# Altium PCB Mixed Signal Project.PcbDoc (part 2 of 3)
Units mm, origin at the board's own origin, x right, y up, seen from the top; angles counter-clockwise.
Board outline 70.67 x 70.79 mm, 4 copper layers (Top Layer, GND, VCC, Bottom Layer), stack 1.565 mm thick; 188 components, 144 nets, 738 pads, 426 vias.
Unrouted connection lines stored in the file: 3.
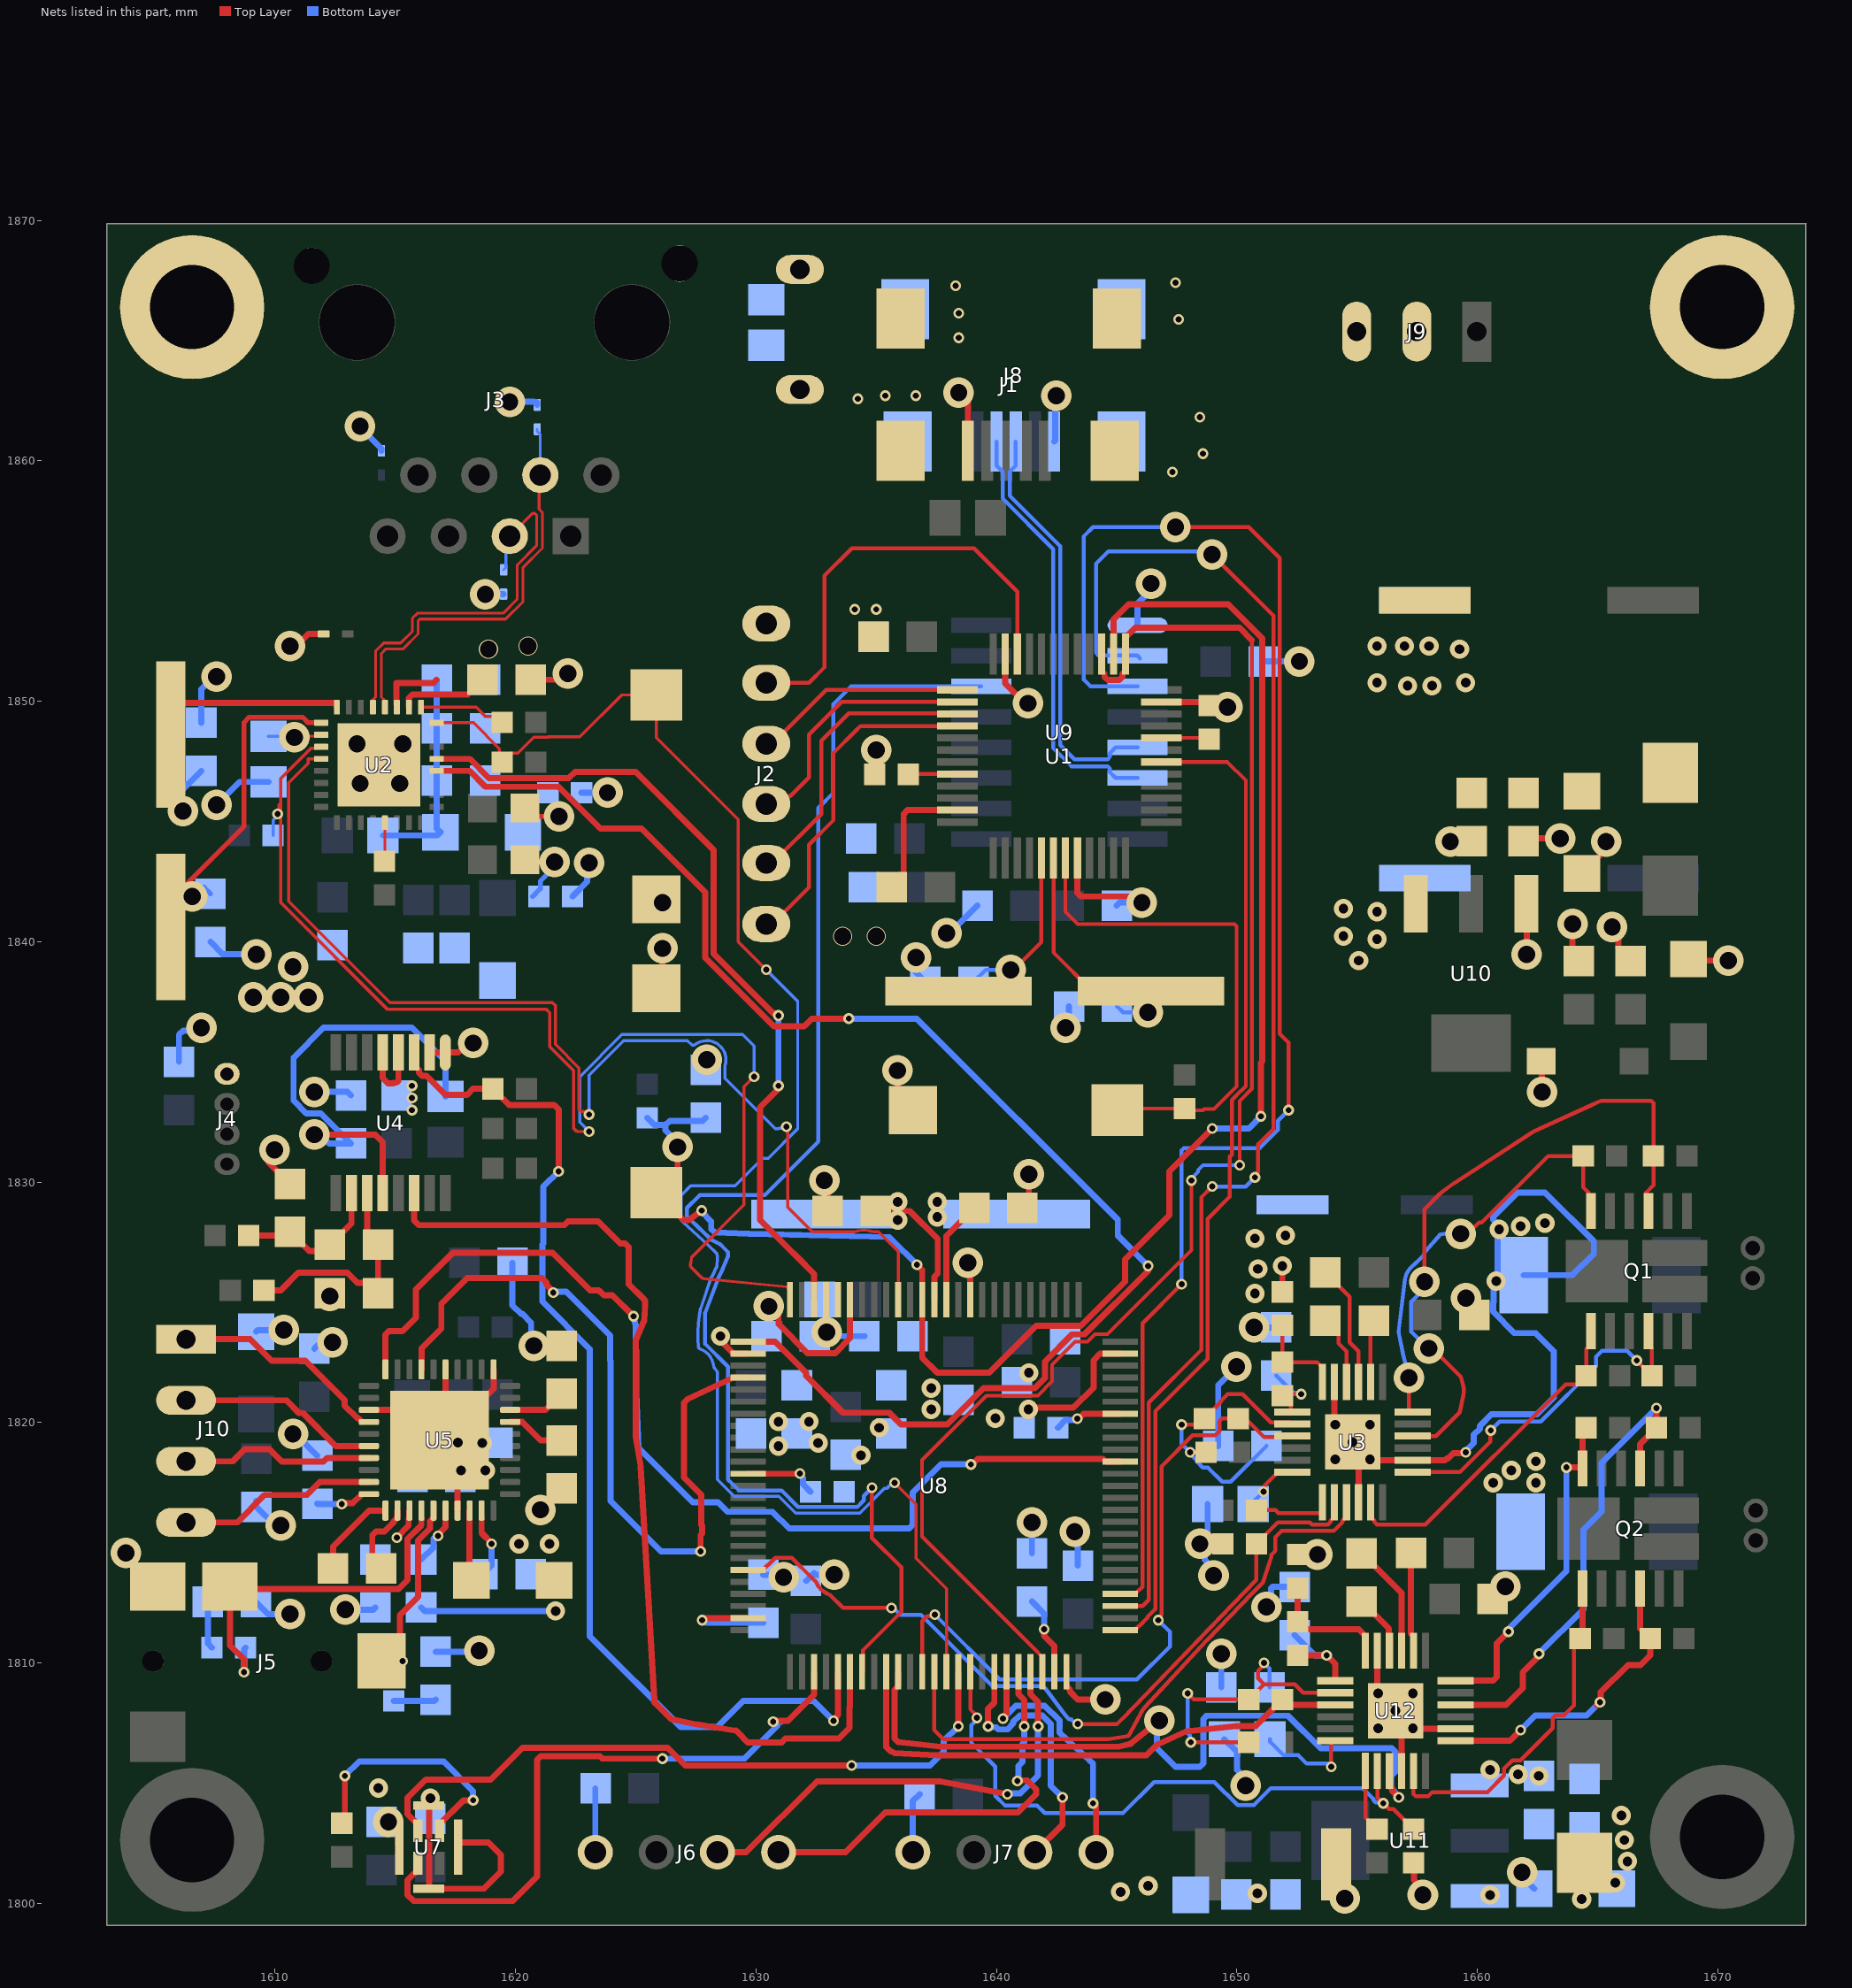
[diagram p4: the nets of this part, all layers, seen from the top]

## Via types
v1: diameter 0.45, hole 0.25, Top Layer to Bottom Layer, tented top, 150 vias
v2: diameter 0.8, hole 0.4, Top Layer to Bottom Layer, tented top, 139 vias
v3: diameter 1.27, hole 0.711, Top Layer to Bottom Layer, tented top, 129 vias
v4: diameter 0.8, hole 0.711, Top Layer to Bottom Layer, tented top, 8 vias

## Nets (pads, with @x,y where several pads share a name; then routed paths per layer and width w, separated by ;. In a path a pad name is that pad's centre, name@x,y a point inside that pad or via, vN(x,y) a via of type N, cw(c..) or ccw(c..) an arc to the next point about the centre after c; other vN are vias at no path point) (continued)
CAN_RX: J6.1 U8.70 | length 17.6
  Top Layer w0.254: J6.1@1630.934,1802.13 1633.728,1802.13 1635.379,1803.781 1640.891,1803.781 1641.647,1804.537 1641.647,1804.748 1641.276,1805.118 1640.979,1805.118 v1(1640.869,1805.094) ; U8.70@1640.911,1809.632 1640.911,1808.706 1641.153,1808.464 v1(1641.153,1807.364)
  Bottom Layer w0.254: v1(1640.869,1805.094) 1640.907,1805.131 1640.907,1805.72 1641.075,1805.889 1641.075,1806.631 1641.153,1806.708 v1(1641.153,1807.364)
CAN_TX: J6.2 U8.71 | length 19.4
  Top Layer w0.254: J6.2@1628.394,1802.13 1629.588,1802.13 1632.536,1805.078 1637.67,1805.078 v1(1640.459,1804.543) ; U8.71@1641.411,1809.632 1641.411,1808.706 1641.729,1808.388 v1(1641.729,1807.364)
  Bottom Layer w0.254: v1(1640.459,1804.543) 1640.497,1804.581 1640.995,1804.581 1641.729,1805.314 v1(1641.729,1807.364)
CH340_RST: U8.57 U9.14 | length 59.9
  Top Layer w0.166: U8.57@1634.411,1809.632 1634.455,1809.676 1634.455,1810.536 1636.041,1812.121 1636.041,1813.984 1634.819,1815.206 v1(1634.819,1817.295)
  Bottom Layer w0.166: 1628.418,1825.982 1627.886,1824.569 1627.886,1823.268 1628.831,1822.324 1628.831,1822.181 1628.831,1817.633 1628.879,1817.584 1629.285,1817.178 1631.058,1817.178 1631.747,1816.489 1634.214,1816.489 1634.489,1816.764 1634.489,1816.955 1634.819,1817.285 v1(1634.819,1817.295) ; 1628.419,1825.983 1628.421,1825.988 1628.621,1826.411 1628.842,1826.941 1628.842,1827.082 1628.569,1827.355 1628.52,1827.404 1628.155,1827.59 1627.221,1828.485 1627.124,1828.582 1627.124,1828.927 1627.653,1829.456 1630.359,1829.456 1632.585,1831.682 1632.585,1845.564 1633.22,1846.199 1633.22,1849.882 1633.957,1850.619 U9.14@1639.368,1850.619
CH340_RXD: U8.79 U9.3 | length 65.5
  Top Layer w0.166: U8.79@1645.149,1812.87 1645.193,1812.914 1645.804,1812.914 1645.94,1813.05 1645.952,1813.05 1646.069,1813.167 1646.069,1824.123 v1(1647.698,1825.752) ; v3(1647.444,1857.248) 1650.492,1857.248 1651.779,1855.961 1651.779,1836.166 1652.143,1835.802 v1(1652.143,1832.991)
  Bottom Layer w0.166: U9.3@1645.868,1850.619 1643.913,1850.619 1643.634,1850.898 1643.634,1856.867 1644.015,1857.248 v3(1647.444,1857.248) ; v1(1647.698,1825.752) 1647.698,1831.314 1647.795,1831.411 1650.944,1831.411 1651.707,1832.174 1651.707,1832.555 v1(1652.143,1832.991)
CH340_TXDPort: U8.78 U9.2 | length 59.5
  Top Layer w0.166: U8.78@1645.149,1812.37 1646.077,1812.37 1646.335,1812.628 1646.335,1820.833 1648.516,1823.014 1648.516,1829.364 v1(1648.968,1829.816) ; v3(1648.968,1856.105) 1651.513,1853.56 1651.513,1832.206 1650.885,1831.577 1650.885,1830.413 1650.746,1830.274 v1(1650.746,1830.197)
  Bottom Layer w0.166: U9.2@1645.97,1851.787 U9.2@1645.868,1851.889 1645.843,1851.914 1644.239,1851.914 1644.142,1852.011 1644.142,1855.724 1644.65,1856.232 1648.841,1856.232 v3(1648.968,1856.105) ; v1(1648.968,1829.816) 1650.365,1829.816 v1(1650.746,1830.197)
CH340USB_D_N: J8.2 U9.6 | length 17.8
  Bottom Layer w0.166: J8.2@1640.002,1860.804 1640.002,1859.804 1640.256,1859.55 1640.256,1858.435 1642.364,1856.326 1642.364,1848.055 1643.121,1847.298 1644.624,1847.298 1644.721,1847.201 1644.721,1847.044 1644.955,1846.809 U9.6@1645.868,1846.809
CH340USB_D_P: J8.3 U9.5 | length 17.4
  Bottom Layer w0.166: J8.3@1640.802,1860.804 1640.802,1859.804 1640.548,1859.55 1640.548,1858.556 1642.657,1856.447 1642.657,1848.176 1643.242,1847.59 1644.624,1847.59 1644.721,1847.687 1644.721,1847.844 1644.955,1848.079 U9.5@1645.868,1848.079
CLK_MIC: U7.3 U8.65 | length 28.8
  Top Layer w0.254: U7.3@1615.937,1803.019 1615.937,1803.294 1615.51,1803.721 1615.51,1804.394 1616.267,1805.151 1618.969,1805.151 1620.293,1806.475 1626.323,1806.475 1627.061,1805.737 v1(1633.982,1805.737) ; v1(1638.411,1807.364) U8.65@1638.411,1809.632
  Bottom Layer w0.254: v1(1633.982,1805.737) 1637.237,1805.737 1637.805,1806.305 1637.805,1806.758 v1(1638.411,1807.364)
COL: U2.28 U8.26 | length 61.8
  Top Layer w0.254: U2.28@1616.717,1847.105 1618.091,1847.105 1618.752,1846.444 1621.799,1846.444 1623.535,1844.708 1625.23,1844.708 1627.886,1842.052 1627.886,1839.337 1630.747,1836.476 1632.001,1836.476 1632.326,1836.801 v1(1633.855,1836.801) ; U8.26@1629.673,1823.37 1630.792,1823.37 1632.081,1822.08 1632.081,1821.947 1633.618,1820.41 1635.537,1820.41 1636.029,1819.918 1637.947,1819.918 1639.455,1821.426 1641.592,1821.426 1642.012,1821.846 1642.012,1822.531 1643.147,1823.666 1643.655,1823.666 1646.301,1826.312 v1(1646.301,1826.514)
  Bottom Layer w0.254: v1(1633.855,1836.801) 1636.681,1836.801 1645.044,1828.438 1645.044,1827.771 v1(1646.301,1826.514)
CRS: U2.29 U8.23 | length 34.5
  Top Layer w0.254: U2.29@1616.717,1847.605 1618.091,1847.605 1618.899,1846.798 1622.211,1846.798 1622.474,1847.061 1624.992,1847.061 1628.24,1843.813 1628.24,1839.495 1630.709,1837.026 1630.783,1837.026 1630.881,1836.928 v1(1630.934,1836.928) ; v1(1630.934,1834.007) 1630.934,1833.88 1630.172,1833.118 1630.172,1828.524 1630.172,1828.419 1630.321,1828.27 1631.37,1827.234 1631.723,1826.88 1632.411,1826.18 U8.23@1632.411,1825.108
  Bottom Layer w0.254: v1(1630.934,1834.007) v1(1630.934,1836.928)
DOUT_MIC: U7.4 U8.53 | length 26.4
  Top Layer w0.254: U7.4@1615.937,1801.669 1615.937,1801.394 1615.51,1800.967 1615.51,1800.35 1615.762,1800.098 1619.885,1800.098 1620.901,1801.114 1620.901,1805.972 1621.05,1806.121 1623.503,1806.121 1623.601,1806.023 v1(1626.108,1806.023) ; v1(1630.71,1807.561) 1630.747,1807.599 1631.323,1807.599 1632.411,1808.687 U8.53@1632.411,1809.632
  Bottom Layer w0.254: v1(1626.108,1806.023) 1629.523,1806.023 1630.885,1807.386 ; v1(1630.71,1807.561) 1631.061,1807.561
DRDY: U4.14 U8.56 | length 41.2
  Top Layer w0.254: U4.14@1615.778,1829.541 1615.778,1828.41 1615.978,1828.21 1622.021,1828.21 1622.175,1828.365 1623.44,1828.365 1623.744,1828.061 1623.744,1828.058 1624.35,1827.452 1624.562,1827.452 1624.637,1827.378 1624.711,1827.303 1624.711,1825.752 1625.307,1825.156 1625.381,1825.082 1625.381,1824.872 1625.358,1824.294 1625.356,1824.255 1625.345,1824.223 1624.994,1823.399 1624.994,1819.411 1625.207,1818.152 1625.771,1808.454 1625.777,1808.357 1625.845,1808.289 1626.415,1807.719 1626.468,1807.665 1626.543,1807.65 1627.538,1807.442 1629.167,1807.183 1629.242,1807.109 1629.651,1806.699 1631.067,1806.699 1631.225,1806.858 1633.437,1806.858 1633.882,1807.303 1633.882,1808.148 1633.911,1808.177 U8.56@1633.911,1809.632
DVDD: C27.1 R22.1 R23.1 U3.8 | length 12
  Top Layer w0.166: v1(1647.698,1819.91) 1648.397,1819.91 1649.314,1820.828 1649.314,1820.878 1649.617,1821.18 1650.238,1821.18 1651.413,1820.005 1652.239,1820.005 U3.8@1652.306,1819.938 ; v1(1648.054,1818.767) R22.1@1648.714,1818.767
  Bottom Layer w0.166: v1(1647.698,1819.91) 1647.698,1819.123 v1(1648.054,1818.767) 1648.054,1818.69 1648.345,1818.399 1648.345,1818.37 1648.581,1818.133 1648.79,1818.133 1649.382,1817.541 1649.742,1817.541 C27.1@1651.222,1819.021
DVDD_2: C93.1 R46.1 R47.1 U12.8 | length 13.4
  Top Layer w0.166: v1(1647.952,1808.734) 1648.206,1808.48 R47.1@1650.492,1808.48 1651.127,1809.115 ; v1(1648.079,1806.702) R46.1@1650.492,1806.702 ; v1(1651.127,1810.004) 1651.127,1809.927 1650.873,1809.673 1650.873,1809.369 1651.127,1809.115 ; U12.8@1654.092,1808.762 1652.754,1808.762 1652.401,1809.115 1651.127,1809.115
  Bottom Layer w0.166: v1(1647.952,1808.734) 1647.952,1807.083 1648.037,1806.998 1648.037,1806.744 v1(1648.079,1806.702) ; v1(1651.127,1810.004) 1651.127,1809.998 1651.349,1809.776 C93.1@1651.349,1808.988
EARTH: C21.2 J9.2 MH1.1 MH4.1 R12.2
EN: R24.1 U3.14 U8.45 | length 32.8
  Top Layer w0.166: U8.45@1629.673,1813.87 1630.284,1813.87 1630.474,1814.06 1630.486,1814.06 1630.806,1814.38 1631.483,1814.38 1632.342,1813.521 1632.472,1813.391 ; 1632.472,1813.39 1632.495,1813.368 ccw(c1633.254,1813.671) 1632.676,1813.093 ccw(c1633.56,1813.976) 1633.097,1812.816 1633.622,1812.29 v1(1635.633,1812.29) ; v1(1643.38,1807.464) 1645.015,1807.464 1645.221,1807.67 ccw(c1645.104,1807.787) 1645.222,1807.671 1645.223,1807.672 1650.809,1813.458 R24.1@1650.809,1814.957 1651.698,1815.846 1653.032,1815.846 1653.123,1815.755 1653.782,1815.755 1653.889,1815.862 1653.889,1815.917 1654.056,1816.084 U3.14@1654.056,1816.684
  Bottom Layer w0.166: v1(1635.633,1812.29) 1635.71,1812.29 1635.991,1812.009 1636.861,1812.009 1639.823,1809.048 1641.923,1809.048 1642.02,1808.951 1642.866,1807.825 1642.908,1807.769 1643.025,1807.652 1643.115,1807.652 1643.303,1807.464 v1(1643.38,1807.464)
EN_2: R48.1 U8.66 U12.14 | length 26.9
  Top Layer w0.166: U8.66@1638.911,1809.632 1638.911,1808.073 1639.189,1807.795 v1(1639.189,1807.718) ; U12.14@1655.842,1805.508 1655.842,1804.4 v1(1656.081,1804.161) 1656.32,1803.922 1656.51,1803.922 R48.1@1657.35,1803.082
  Bottom Layer w0.166: v1(1639.189,1807.718) 1639.189,1807.641 1638.962,1807.414 1638.962,1806.675 1639.951,1805.686 1639.951,1804.474 1640.361,1804.064 1641.7,1804.064 1642.01,1803.754 1645.258,1803.754 1646.555,1805.051 1649.06,1805.051 1650.026,1804.085 1650.704,1804.085 1651.416,1804.797 1655.222,1804.797 1655.68,1804.338 1655.68,1804.293 1655.777,1804.196 1656.046,1804.196 v1(1656.081,1804.161)
EXT_UART_RX: J7.1 U8.69 | length 11
  Top Layer w0.254: v1(1640.269,1807.686) 1640.269,1807.739 1640.411,1807.881 U8.69@1640.411,1809.632 ; v1(1644.015,1804.162) 1644.142,1804.035 J7.1@1644.142,1802.13
  Bottom Layer w0.254: v1(1640.269,1807.686) 1640.809,1808.226 1642.007,1808.226 1642.618,1807.615 1642.618,1807.276 1642.63,1807.106 1642.895,1806.841 1643.866,1805.962 1644.015,1805.813 v1(1644.015,1804.162)
EXT_UART_TX: J7.2 U8.68 | length 11.5
  Top Layer w0.254: v1(1639.65,1807.364) 1639.65,1808.089 1639.911,1808.349 U8.68@1639.911,1809.632 ; J7.2@1641.602,1802.13 1642.745,1803.273 v1(1642.745,1804.416)
  Bottom Layer w0.254: v1(1639.65,1807.364) 1639.688,1807.326 1639.99,1807.326 1640.082,1807.234 1640.457,1807.234 1640.701,1807.478 1640.701,1807.551 1640.965,1807.816 1641.916,1807.816 1642.264,1807.468 1642.264,1804.897 v1(1642.745,1804.416)
GH1: Q1.1 R15.1 U3.17 | length 14.2
  Top Layer w0.166: U3.17@1655.556,1816.684 1655.556,1816.084 1655.723,1815.917 1655.723,1815.858 1655.83,1815.751 1657.833,1815.751 1663.662,1821.58 1664.164,1821.58 R15.1@1664.526,1821.942 1664.526,1823.06 1664.716,1823.25 Q1.1@1664.716,1823.8
GH1_2: Q2.1 R39.1 U12.17 | length 14.7
  Top Layer w0.166: U12.17@1657.342,1805.508 1657.342,1804.551 1657.439,1804.454 1657.955,1804.454 1658.132,1804.632 1660.425,1804.632 1661.111,1805.318 1661.111,1805.61 1661.452,1805.951 1661.792,1805.951 1663.129,1807.289 1663.129,1807.711 1663.236,1807.818 1663.591,1807.818 1664.01,1808.237 1664.01,1810.758 R39.1@1664.367,1811.115
  Top Layer w0.254: R39.1@1664.367,1811.115 Q2.1@1664.367,1813.092
GH2: Q1.12 R16.1 U3.24 | length 17.6
  Top Layer w0.166: v3(1657.156,1821.858) 1657.156,1820.505 1657.223,1820.438 U3.24@1657.306,1820.438 ; v3(1659.298,1827.851) 1659.597,1827.851 1660.07,1828.325 1660.177,1828.325 1662.938,1831.086 R16.1@1664.399,1831.086 1664.399,1829.786 1664.621,1829.564 Q1.12@1664.621,1829.014
  Bottom Layer w0.166: v3(1657.156,1821.858) 1656.912,1822.824 1656.719,1823.773 1656.99,1825.954 cw(c1657.802,1825.852) 1657.189,1826.394 1657.189,1826.396 1657.463,1826.67 1657.472,1826.67 1657.802,1826.999 1657.802,1827.023 cw(c1657.967,1827.023) 1657.843,1827.132 1658.459,1827.827 1659.061,1827.911 1659.239,1827.911 v3(1659.298,1827.851)
GH2_2: Q2.12 R40.1 U12.24 | length 14.1
  Top Layer w0.254: U12.24@1659.092,1809.262 1660.65,1809.262 1660.799,1809.411 1660.799,1810.811 v1(1661.289,1811.301) ; v1(1663.7,1818.132) 1664.327,1818.132 Q2.12@1664.367,1818.092 1664.367,1819.624 R40.1@1664.526,1819.783
  Bottom Layer w0.254: v1(1661.289,1811.301) 1661.327,1811.339 1661.327,1811.441 1663.7,1813.814 v1(1663.7,1818.132)
GL1: Q1.4 R17.1 U3.19 | length 14.9
  Top Layer w0.166: U3.19@1657.306,1817.938 1659.269,1817.938 1660.528,1819.197 1660.528,1819.645 v1(1660.553,1819.67) ; v1(1666.627,1822.582) 1666.627,1822.571 R17.1@1667.256,1821.942 1667.256,1823.11 1667.116,1823.25 Q1.4@1667.116,1823.8
  Bottom Layer w0.166: v1(1660.553,1819.67) 1660.919,1820.037 1662.632,1820.037 1664.943,1822.348 1664.943,1822.746 1665.182,1822.985 1666.224,1822.985 v1(1666.627,1822.582)
GL1_2: Q2.4 R41.1 U12.19 | length 12.9
  Top Layer w0.254: U12.19@1659.092,1806.762 1661.347,1806.762 v1(1661.795,1807.21) ; v1@1664.97,1808.243 1665.135,1808.408 1665.135,1808.784 1666.264,1809.913 1666.784,1809.913 1667.193,1810.322 R41.1@1667.193,1811.02 1666.767,1811.446 Q2.4@1666.767,1813.092
  Bottom Layer w0.254: v1(1661.795,1807.21) 1662.403,1807.818 1664.545,1807.818 v1(1665.097,1808.37)
GL2: Q1.9 R18.2 U3.22 | length 27.3
  Top Layer w0.166: U3.22@1657.306,1819.438 1658.275,1819.438 1659.262,1820.425 1659.418,1821.13 ccw(c1658.62,1821.307) 1659.411,1821.515 1659.311,1821.9 1659.262,1821.948 1658.126,1823.085 v3(1657.985,1823.085) ; v3(1657.802,1825.852) 1657.802,1828.871 1658.445,1829.514 1658.493,1829.562 1659.029,1829.955 1662.277,1832.07 1662.351,1832.114 1664.734,1833.198 1665.107,1833.366 1665.14,1833.381 1667.222,1833.381 1667.319,1833.284 1667.319,1829.862 1667.021,1829.564 Q1.9@1667.021,1829.014
  Bottom Layer w0.166: v3(1657.802,1825.852) 1657.802,1825.575 1657.25,1825.023 1657.25,1824.886 1657.25,1823.783 1657.947,1823.085 v3(1657.985,1823.085)
GL2_2: Q2.9 R42.2 U12.22 | length 19.8
  Top Layer w0.254: U12.22@1659.092,1808.262 1661.196,1808.262 1661.895,1808.961 1661.895,1809.61 1662.557,1810.272 v1(1662.557,1810.385) ; Q2.9@1666.767,1818.092 1666.767,1819.104 R42.2@1667.446,1819.783 1667.444,1819.785 v1(1667.444,1820.606)
  Bottom Layer w0.254: v1(1662.557,1810.385) 1664.408,1812.236 1664.408,1815.538 1665.167,1816.297 1665.167,1818.329 v1(1667.444,1820.606)
GND: C1.2 C2.2 C3.2 C4.1 C5.2 C6.1 C7.2 C8.2 C9.2 C10.1 C11.2 C12.2 C13.2 C14.2 C15.1 C16.2 C17.2 C18.2 C19.2 C20.1 C24.2 C25.2 C26.2 C27.2 C28.1 C29.1 C31.2 C32.2 C33.1 C34.2 C35.2 C36.2 C37.2 C38.2 C39.2 C40.2 C42.2 C43.2 C44.2 C45.2 C46.2 C47.1 C48.1 C49.1 C50.1 C51.2 C52.2 C53.1 C55.2 C56.1 C57.1 C58.2 C59.2 C60.2 C61.2 C62.2 C63.2 C64.2 C65.2 C66.2 C67.2 C68.2 C69.2 C70.2 C71.2 C72.1 C73.2 C74.2 C75.2 C76.1 C77.1 C78.1 C79.1 C80.1 C81.1 C82.1 C83.1 C84.1 C85.1 C86.1 C87.1 C91.2 C92.2 C93.2 D1.A D2.A D3.A D4.A D6.A D8.A J1.5 J1.6 J2.6 J4.4 J5.1 J6.4 J7.4 J8.5 J8.6 J9.3 R1.1 R4.2 R5.1 R9.1 R10.2 R14.2 R19.2 R20.2 R24.2 R35.1 R36.2 R38.2 R43.2 R44.2 R48.2 SW1.1 SW2.1 SW3.1 U1.8 U1.23 U1.35 U1.47 U2.33 U3.5 U3.16 U3.20 U3.25 U4.1 U4.2 U4.4 U4.5 U5.3 U5.17 U5.31 U5.35 U5.41 U7.5 U8.10 U8.20 U8.27 U8.74 U8.99 U9.1 U10.1 U11.1 U12.5 U12.16 U12.20 U12.25 | length 212.3
  Top Layer w0.254: v3(1603.792,1814.576) 1603.792,1814.361 1604.974,1813.179 J5.1@1605.124,1813.179 ; v3(1609.979,1831.34) 1609.874,1831.34 1609.725,1831.191 1609.725,1830.816 C31.2@1610.614,1829.927 ; v3(1610.614,1852.295) 1610.88,1852.295 1611.388,1852.803 D1.A@1612.014,1852.803 ; v3(1612.281,1825.26) C32.2@1612.281,1825.371 ; U5.3@1613.902,1820.525 1615.587,1820.525 U5.41@1616.837,1819.275 U5.41@1617.488,1819.275 ; U4.5@1614.478,1835.391 1614.478,1834.334 1614.7,1834.112 1614.91,1834.112 1614.932,1834.134 1615.037,1834.134 1615.128,1834.225 U4.4@1615.128,1835.391 ; v3@1614.517,1803.59 v3(1614.712,1803.396) 1614.973,1803.134 1615.114,1803.134 1615.114,1802.392 U7.5@1615.162,1802.344 ; U4.2@1616.428,1835.391 U4.1@1617.078,1835.391 1617.616,1835.391 1618.01,1835.785 v3(1618.234,1835.785) ; v2(1616.456,1804.375) 1616.41,1804.329 1616.41,1800.642 U7.5@1616.387,1800.619 1616.393,1800.613 1618.685,1800.613 1619.384,1801.312 1619.384,1802.026 1618.879,1802.531 1617.66,1802.531 1617.66,1802.392 U7.5@1617.612,1802.344 ; U5.35@1617.087,1822.21 1617.087,1819.676 U5.41@1617.488,1819.275 ; U5.17@1617.587,1816.34 1617.587,1817.866 v2(1617.726,1818.005) ; v2(1617.599,1819.164) U5.41@1617.488,1819.275 ; v2(1618.615,1819.148) 1618.615,1821.053 1618.76,1821.198 1618.876,1821.198 1619.087,1821.409 U5.31@1619.087,1822.21 ; C10.1@1620.631,1850.898 1621.917,1850.898 v3(1622.171,1851.152) ; v3(1620.758,1823.196) C48.1@1621.917,1823.196 ; v3(1621.028,1816.37) C50.1@1621.917,1817.259 ; SW3.1@1625.854,1838.062 1626.108,1838.316 v3(1626.108,1839.722) ; SW2.1@1625.854,1841.763 1625.99,1841.627 v3(1626.108,1841.627) ; v2(1628.521,1823.593) 1628.521,1823.411 1629.062,1822.87 U8.27@1629.673,1822.87 ; v3(1630.534,1824.835) 1630.826,1824.835 1630.934,1824.727 1630.934,1824.101 1632.144,1822.891 1633.293,1822.891 1633.911,1823.508 U8.20@1633.911,1825.108 ; v3(1632.839,1830.07) 1632.982,1829.927 C58.2@1632.982,1828.8 ; v3@1634.744,1847.977 v3(1634.998,1847.977) 1634.935,1847.914 R1.1@1634.935,1846.961 ; C3.2@1635.649,1842.262 1636.141,1842.754 1636.141,1845.31 1636.304,1845.473 U1.47@1638.38,1845.473 ; v3(1635.887,1834.642) 1635.887,1833.626 SW1.1@1636.522,1832.991 ; v3(1638.427,1862.836) 1638.814,1862.449 J1.5@1638.814,1860.423 ; v3(1638.808,1826.641) 1638.911,1826.538 U8.10@1638.911,1825.108 ; U1.35@1640.368,1851.961 1640.368,1850.735 1641.189,1849.914 v3(1641.31,1849.914) ; C55.2@1641.078,1828.927 1641.348,1829.197 v3(1641.348,1830.324) ; v2(1641.33,1820.547) 1641.399,1820.616 1643.197,1820.616 1644.034,1821.453 1644.034,1822.596 1644.308,1822.87 U8.99@1645.149,1822.87 ; U8.74@1642.911,1809.632 1642.911,1809.021 1643.057,1808.875 1643.057,1808.8 1643.377,1808.48 v3(1644.523,1808.48) ; U1.8@1643.368,1843.485 1643.368,1842.03 1643.517,1841.881 1645.793,1841.881 v3(1646.047,1841.627) ; U1.23@1646.856,1849.973 1648.687,1849.973 R4.2@1648.841,1849.819 1649.539,1849.819 v3(1649.603,1849.755) ; v3(1648.46,1814.957) R24.2@1649.412,1814.957 ; R14.2@1651.889,1825.435 v2(1651.889,1826.514) ; R38.2@1652.524,1814.513 v3(1653.35,1814.513) ; U3.5@1654.056,1821.688 1654.056,1819.938 v2(1654.081,1819.913) ; D8.A@1654.133,1801.622 1654.133,1800.556 v3(1654.48,1800.209) ; v2(1654.806,1819.188) v2(1655.531,1818.463) ; U3.16@1655.056,1816.684 1655.056,1818.165 1655.354,1818.463 v2(1655.531,1818.463) ; U12.5@1655.842,1810.512 1655.842,1808.762 v2(1655.867,1808.737) ; v2(1656.592,1808.012) 1656.842,1807.762 U12.16@1656.842,1805.508 ; v2(1657.317,1807.287) 1657.342,1807.262 U12.20@1659.092,1807.262 ; R48.2@1657.35,1801.685 1657.364,1801.672 1657.364,1800.97 1657.731,1800.603 v3(1657.731,1800.352) ; v3(1658.874,1844.167) 1659.747,1844.167 C81.1@1659.763,1844.183 ; v1(1659.515,1818.761) 1659.478,1818.723 1658.999,1818.723 1658.782,1818.507 1658.72,1818.507 1658.651,1818.438 U3.20@1657.306,1818.438 1655.556,1818.438 v2(1655.531,1818.463) ; v3(1659.524,1825.171) 1659.524,1824.832 C25.2@1659.874,1824.482 ; C91.2@1660.636,1812.671 1661.144,1813.179 v3(1661.16,1813.179) ; C80.1@1661.922,1844.183 1662.033,1844.294 v3(1663.446,1844.294) ; U10.1@1662.038,1841.581 1662.049,1841.569 v3(1662.049,1839.468) ; D6.A@1662.652,1835.029 1662.684,1834.996 v3(1662.684,1833.753) ; v3(1663.954,1840.738) 1663.954,1839.452 C76.1@1664.208,1839.198 ; C79.1@1664.34,1842.834 1665.351,1843.845 v3(1665.351,1844.167) ; v3(1665.605,1840.611) 1665.605,1840.336 1665.859,1840.082 1665.859,1839.706 C77.1@1666.367,1839.198 ; C78.1@1668.775,1839.277 1668.838,1839.214 v3(1670.431,1839.214)
  Bottom Layer w0.254: C33.1@1606,1835 1606,1836.124 1606.169,1836.293 1606.804,1836.293 v3(1606.931,1836.42) ; C15.1@1606.931,1849.104 1606.931,1850.495 1607.461,1851.025 v3(1607.566,1851.025) ; C20.1@1607.312,1839.992 1607.82,1839.484 1609.201,1839.484 v3(1609.217,1839.468) ; v3(1607.566,1845.691) 1608.521,1846.646 R10.2@1609.725,1846.646 ; C36.2@1609.201,1812.544 1609.709,1812.036 v3(1610.614,1812.036) ; C43.2@1609.212,1823.784 1609.275,1823.847 v3(1610.36,1823.847) ; C44.2@1609.217,1816.735 C44.2@1609.217,1816.497 1609.995,1815.719 v3(1610.233,1815.719) ; v3(1610.741,1819.529) 1610.852,1819.529 C42.2@1611.757,1818.624 ; C45.2@1611.63,1823.069 1611.9,1823.339 v3(1612.392,1823.339) ; v3(1611.63,1833.753) 1613.011,1833.753 C29.1@1613.154,1833.61 ; v3@1612.827,1812.217 v3(1612.916,1812.217) 1614.081,1812.217 C37.2@1614.17,1812.306 ; v3(1613.535,1861.439) 1613.535,1861.404 1614.424,1860.515 D2.A@1614.424,1860.42 ; C38.2@1616.075,1812.306 1616.218,1812.163 v2(1621.663,1812.163) ; C35.2@1616.676,1810.471 1618.447,1810.471 v3(1618.488,1810.512) ; v3(1618.742,1854.454) 1618.743,1854.455 1619.503,1854.455 D3.A@1619.504,1854.457 ; v3(1619.758,1862.455) 1620.771,1862.455 1620.783,1862.443 1620.878,1862.443 1620.901,1862.42 D4.A@1620.901,1862.325 ; C46.2@1619.869,1826.641 1619.869,1824.879 1620.229,1824.519 1620.286,1824.519 1620.646,1824.16 1620.646,1823.308 v3(1620.758,1823.196) ; R9.1@1622.361,1841.881 1622.972,1842.492 1622.972,1843.19 v3(1623.06,1843.278) ; R5.1@1622.742,1846.199 v3(1623.822,1846.199) ; J6.4@1623.314,1802.13 C56.1@1623.314,1804.781 ; C53.1@1627.911,1835.048 v3(1627.951,1835.088) ; C70.2@1630.299,1813.671 1631.035,1813.671 v3(1631.144,1813.562) v3@1631.213,1813.493 ; C61.2@1632.077,1813.417 1632.407,1813.747 1632.483,1813.671 v3(1633.254,1813.671) ; J7.4@1636.522,1802.13 1636.522,1804.257 C57.1@1636.808,1804.543 ; v3(1636.649,1839.341) 1636.649,1838.722 C4.1@1637.046,1838.325 ; v3(1637.919,1840.357) 1638.062,1840.357 C8.2@1639.205,1841.5 ; C69.2@1641.475,1814.56 v3(1641.475,1815.846) ; J8.5@1642.402,1860.804 1642.446,1860.848 1642.446,1862.664 v3(1642.491,1862.709) ; v3(1642.872,1836.42) 1643.015,1836.563 C6.1@1643.015,1837.309 ; v3(1643.253,1815.465) 1643.38,1815.338 C60.2@1643.38,1814.052 ; C7.2@1644.999,1841.5 1645.126,1841.627 v3(1646.047,1841.627) ; U9.1@1645.868,1853.159 1645.868,1854.062 1646.428,1854.622 v3(1646.428,1854.897) ; R19.2@1648.78,1816.608 1648.78,1814.957 1648.654,1814.831 1648.654,1814.289 1649.028,1813.915 v3(1649.028,1813.64) ; C27.2@1649.222,1819.021 1649.222,1821.561 v3(1649.984,1822.323) ; C93.2@1649.349,1808.988 v3(1649.349,1810.385) ; R43.2@1649.476,1806.829 1649.999,1806.306 1649.999,1805.544 1650.365,1805.178 v3(1650.365,1804.903) ; v3@1650.71,1823.966 v3(1650.71,1823.958) C26.2@1651.635,1823.958 ; C9.2@1651.111,1851.66 v3(1652.596,1851.66) ; v3(1651.227,1812.33) 1651.421,1812.525 1651.421,1813.116 1651.468,1813.163 C92.2@1652.397,1813.163 ; v1(1659.515,1818.761) 1659.515,1818.814 1659.852,1819.151 1659.852,1819.496 1660.101,1819.744 1660.101,1819.858 1660.59,1820.347 1662.483,1820.347 1663.184,1821.047 1663.184,1822.966 1662.43,1823.72 1661.541,1823.72 1660.652,1824.609 1660.652,1824.971 1660.679,1824.998 1660.679,1825.779 1660.842,1825.942 1660.842,1827.847 1660.779,1827.911 1660.802,1827.934 1660.802,1828.29 1660.652,1828.44 1660.652,1828.546 1661.668,1829.562 1662.811,1829.562 1664.843,1827.53 1664.843,1827.022 1663.954,1826.133 R20.2@1661.922,1826.133 ; v3@1662.049,1801.487 v3(1661.855,1801.292) 1661.855,1801.246 1661.85,1801.241 1661.737,1801.241 C85.1@1662.367,1800.611